# KiCad board APA102_Matrix.kicad_pcb (continued)
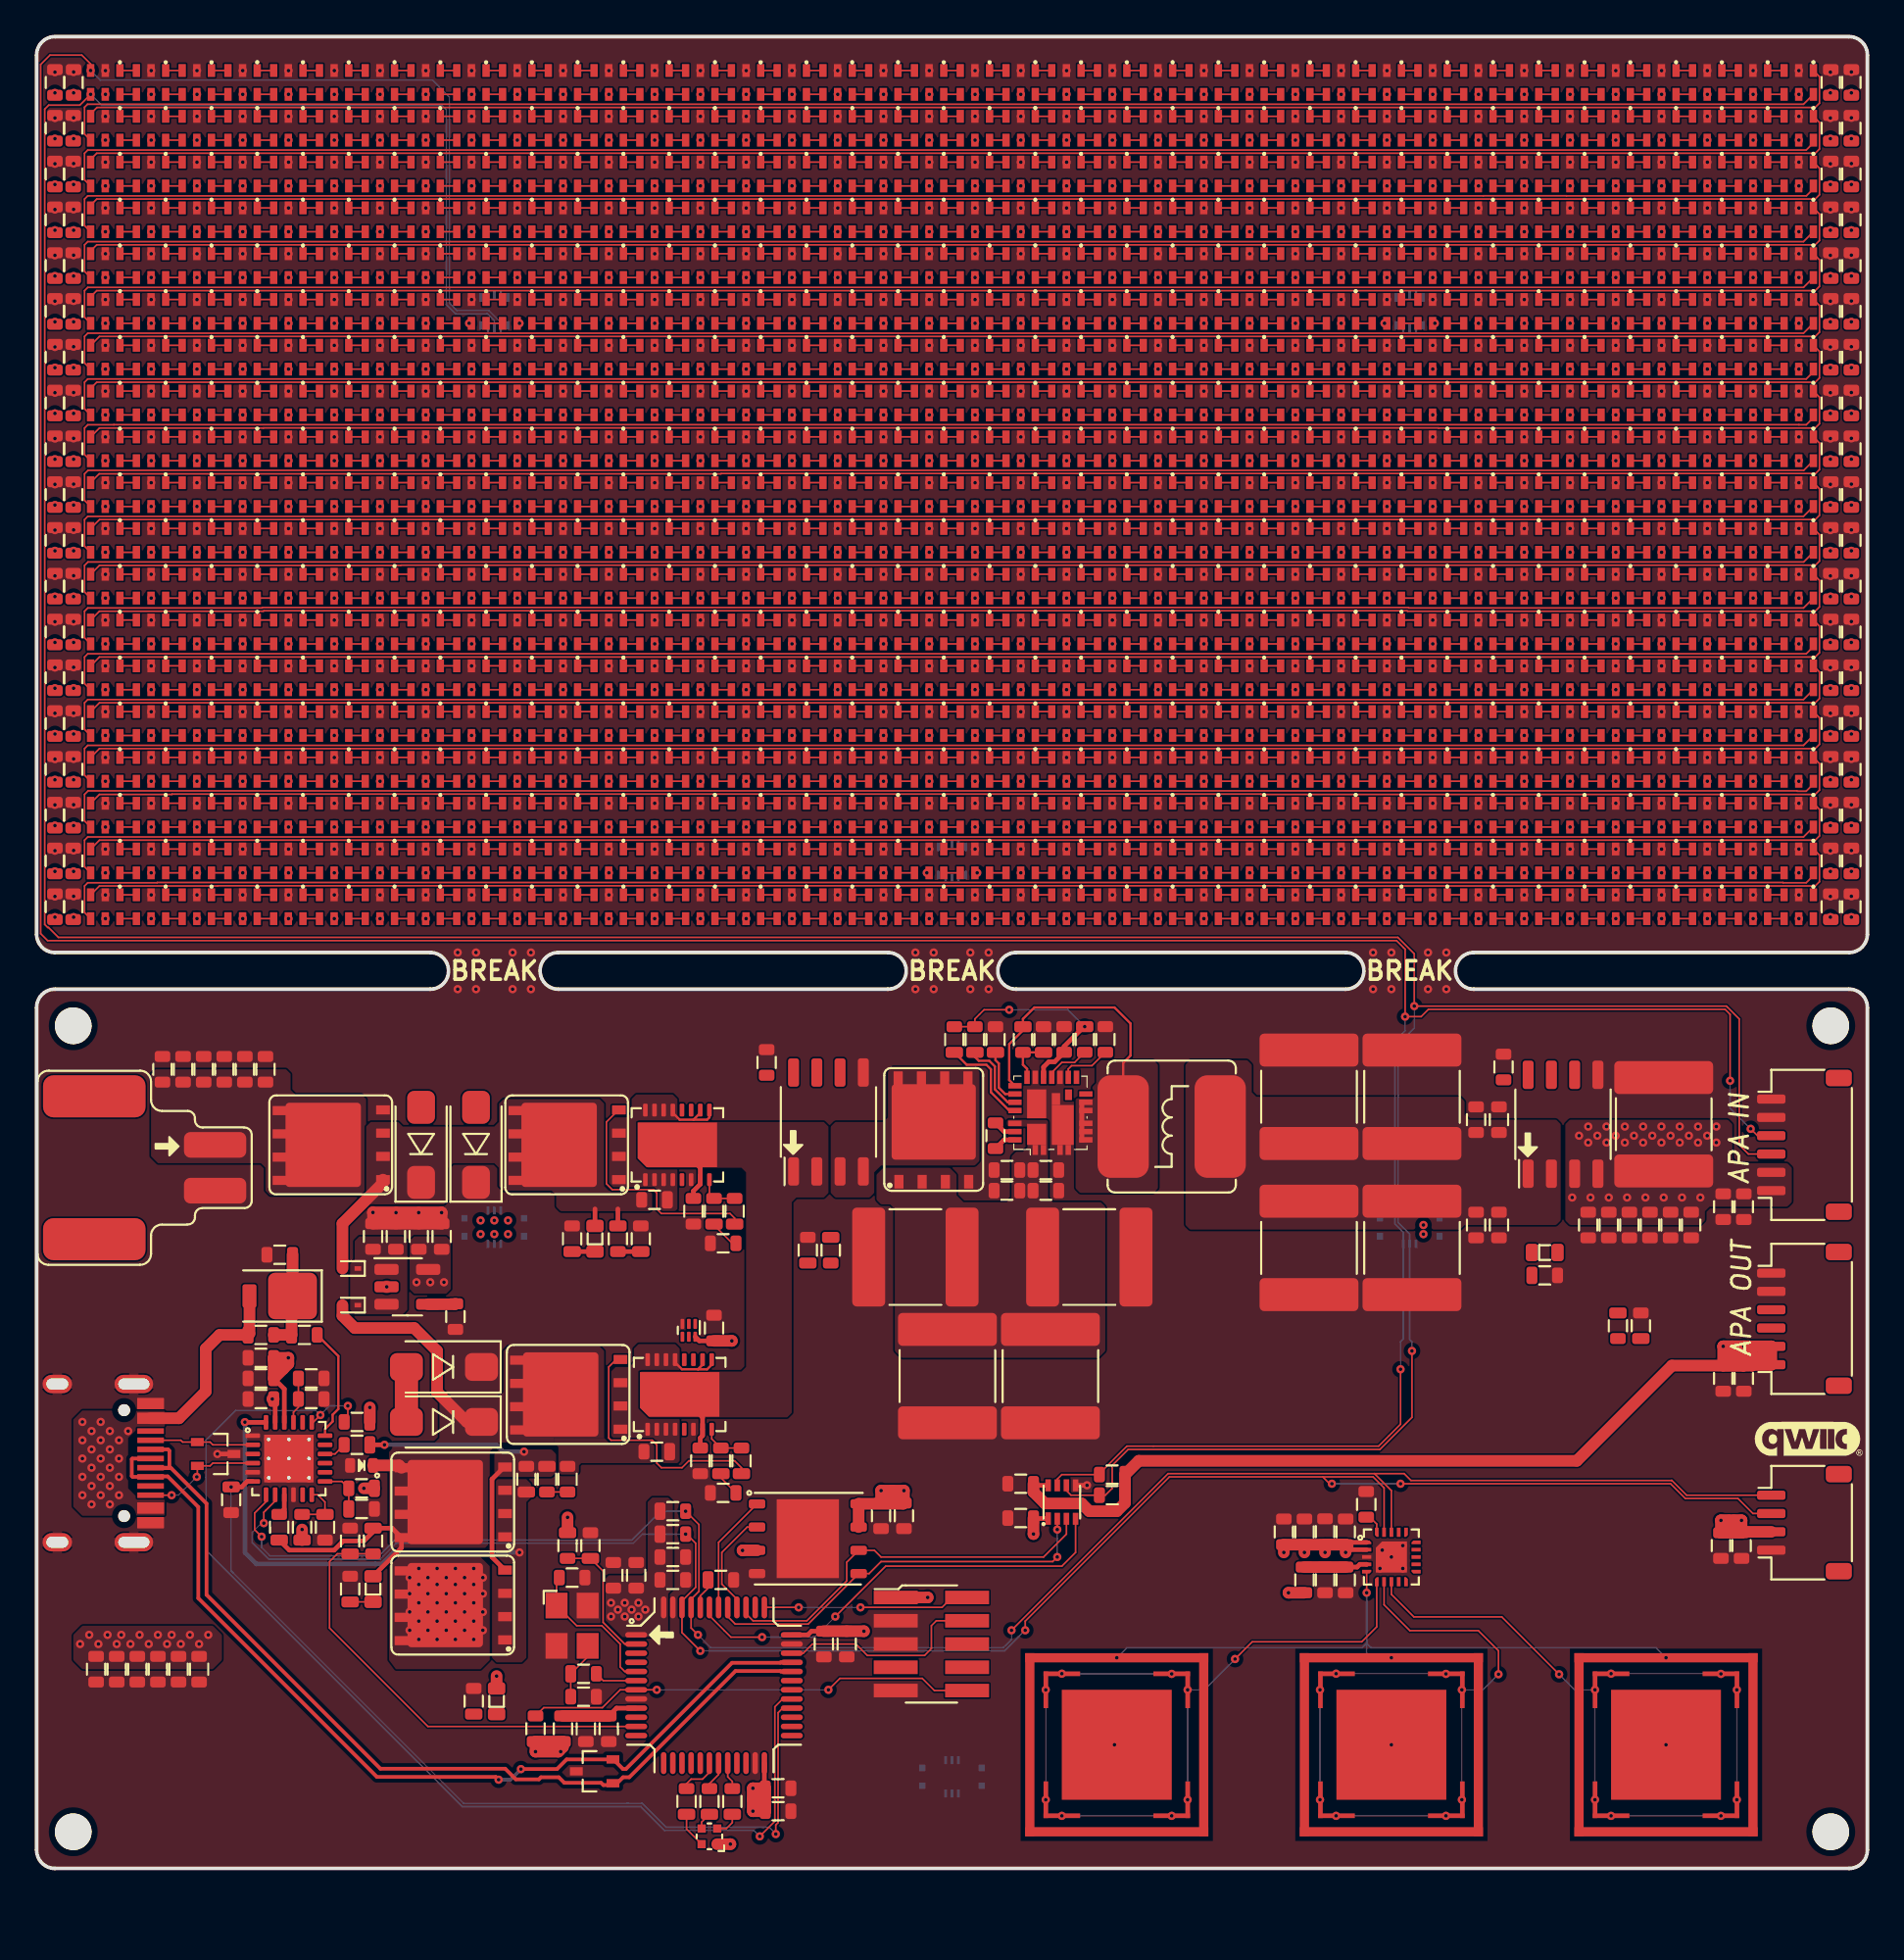
[diagram p0: board, top side]
## Routing (per net, layer and track width the routed paths; a pad name or vN(x,y) marks a point on that pad's centre or on a via; arc(x,y) is an arc through that point) (continued)
/5V_EN: length 3
  F_PWR_SIGNAL.Cu w0.127: U8.19 52.9,42.28 52.56,42.62 52.56,43.94 52.38,44.12 R27.1
/5V_PGOOD: length 2.5
  F_PWR_SIGNAL.Cu w0.089: 57.25,44.56 56.69,44 56,44 55.45,43.45 U8.14
/MCU/+3V3A_MCU: length 4.2
  F_PWR_SIGNAL.Cu w0.254: U7.9 31.68,8.75 C101.1
  F_PWR_SIGNAL.Cu w0.635: FB1.1 C101.1
/POWER SUPPLY/VDD: length 12.1
  F_PWR_SIGNAL.Cu w0.089: R31.2 R30.2 51.25,46.38 51.75,46.88 v1(53.12,46.88)
  F_PWR_SIGNAL.Cu w0.254: U8.15 55,43.75 55.28,44.03 55.6,44.03 56.12,44.56 56.12,44.88 57.2,45.95 v1(57.25,45.95)
  B_GND_SIGNAL.Cu w0.089: v1(57.25,45.95) 56.33,46.88 v1(53.12,46.88)
/USB C PD/+2V7: length 2.5
  F_PWR_SIGNAL.Cu w0.254: U10.23 13.03,25.55 C130.2
  F_PWR_SIGNAL.Cu w0.635: R42.1 v1(17.88,20.75) ; C130.2 v1(12.88,25.62) ; R40.1 v1(14.5,18.5)
GND: length 11.5
  F_PWR_SIGNAL.Cu w0.089: D1.2 3.75,98.15 v1(3.76,98.15) ; v1(2.02,98.07) 2.02,98.07 ; 1.25,98.06 1.25,98.07
  F_PWR_SIGNAL.Cu w0.254: U5.5 57.37,20.91 v1(57.38,20.92) ; D733.3 v1(9.88,22.62)
  F_PWR_SIGNAL.Cu w0.635: v1(19.63,35.8) 19.62,35.8 C79.2 ; U4.2 v1(19.12,31.75) ; v1(20.87,35.8) 20.88,35.8 C81.2 ; C82.2 22.12,35.8 v1(22.12,35.8) 22.11,35.81 v1(18.37,35.81) 18.38,35.81 C80.2 C82.2
  vias: v1(1,98.06) v1(1,95.56) v1(1,93.06) v1(1,90.56) v1(1,88.06) v1(1,85.56) v1(1,83.06) v1(1,80.56) v1(1,78.06) v1(1,75.56) v1(1,73.06) v1(1,70.56) v1(1,68.06) v1(1,65.56) v1(1,63.06) v1(1,60.56) v1(1,58.06) v1(1,55.56) v1(1,53.06) v1(2.02,95.57) v1(2.02,93.07) v1(2.02,90.57) v1(2.02,88.07) v1(2.02,85.57) v1(2.02,83.07) v1(2.02,80.57) v1(2.02,78.07) v1(2.02,75.57) v1(2.02,73.07) v1(2.02,70.57) v1(2.02,68.07) v1(2.02,65.57) v1(2.02,63.07) v1(2.02,60.57) v1(2.02,58.07) v1(2.02,55.57) v1(2.02,53.07) v1(3.76,95.65) v1(3.76,93.15) v1(3.76,90.65) v1(3.76,88.15) v1(3.76,85.65) v1(3.76,83.15) v1(3.76,80.65) v1(3.76,78.15) v1(3.76,75.65) v1(3.76,73.15) v1(3.76,70.65) v1(3.76,68.15) v1(3.76,65.65) v1(3.76,63.15) v1(3.76,60.65) v1(3.76,58.15) v1(3.76,55.65) v1(3.76,53.15) v1(6.26,98.15) v1(6.26,95.65) v1(6.26,93.15) v1(6.26,90.65) v1(6.26,88.15) v1(6.26,85.65) v1(6.26,83.15) v1(6.26,80.65) v1(6.26,78.15) v1(6.26,75.65) v1(6.26,73.15) v1(6.26,70.65) v1(6.26,68.15) v1(6.26,65.65) v1(6.26,63.15) v1(6.26,60.65) v1(6.26,58.15) v1(6.26,55.65) v1(6.26,53.15) v1(8.76,98.15) v1(8.76,95.65) v1(8.76,93.15) v1(8.76,90.65) v1(8.76,88.15) v1(8.76,85.65) v1(8.76,83.15) v1(8.76,80.65) v1(8.76,78.15) v1(8.76,75.65) v1(8.76,73.15) v1(8.76,70.65) v1(8.76,68.15) v1(8.76,65.65) v1(8.76,63.15) v1(8.76,60.65) v1(8.76,58.15) v1(8.76,55.65) v1(8.76,53.15) v1(11.26,98.15) v1(11.26,95.65) v1(11.26,93.15) v1(11.26,90.65) v1(11.26,88.15) v1(11.26,85.65) v1(11.26,83.15) v1(11.26,80.65) v1(11.26,78.15) v1(11.26,75.65) v1(11.26,73.15) v1(11.26,70.65) v1(11.26,68.15) v1(11.26,65.65) v1(11.26,63.15) v1(11.26,60.65) v1(11.26,58.15) v1(11.26,55.65) v1(11.26,53.15) v1(13.76,98.15) v1(13.76,95.65) v1(13.76,93.15) v1(13.76,90.65) v1(13.76,88.15) v1(13.76,85.65) v1(13.76,83.15) v1(13.76,80.65) v1(13.76,78.15) v1(13.76,75.65) v1(13.76,73.15) v1(13.76,70.65) v1(13.76,68.15) v1(13.76,65.65) v1(13.76,63.15) v1(13.76,60.65) v1(13.76,58.15) v1(13.76,55.65) v1(13.76,53.15) v1(16.26,98.15) v1(16.26,95.65) v1(16.26,93.15) v1(16.26,90.65) v1(16.26,88.15) v1(16.26,85.65) v1(16.26,83.15) v1(16.26,80.65) v1(16.26,78.15) v1(16.26,75.65) v1(16.26,73.15) v1(16.26,70.65) v1(16.26,68.15) v1(16.26,65.65) v1(16.26,63.15) v1(16.26,60.65) v1(16.26,58.15) v1(16.26,55.65) v1(16.26,53.15) v1(18.76,98.15) v1(18.76,95.65) v1(18.76,93.15) v1(18.76,90.65) v1(18.76,88.15) v1(18.76,85.65) v1(18.76,83.15) v1(18.76,80.65) v1(18.76,78.15) v1(18.76,75.65) v1(18.76,73.15) v1(18.76,70.65) v1(18.76,68.15) v1(18.76,65.65) v1(18.76,63.15) v1(18.76,60.65) v1(18.76,58.15) v1(18.76,55.65) v1(18.76,53.15) v1(21.26,98.15) v1(21.26,95.65) v1(21.26,93.15) v1(21.26,90.65) v1(21.26,88.15) v1(21.26,85.65) v1(21.26,83.15) v1(21.26,80.65) v1(21.26,78.15) v1(21.26,75.65) v1(21.26,73.15) v1(21.26,70.65) v1(21.26,68.15) v1(21.26,65.65) v1(21.26,63.15) v1(21.26,60.65) v1(21.26,58.15) v1(21.26,55.65) v1(21.26,53.15) v1(23,50) v1(23,48) v1(23.76,98.15) v1(23.76,95.65) v1(23.76,93.15) v1(23.76,90.65) v1(23.76,88.15) v1(23.76,85.65) v1(23.76,83.15) v1(23.76,80.65) v1(23.76,78.15) v1(23.76,75.65) v1(23.76,73.15) v1(23.76,70.65) v1(23.76,68.15) v1(23.76,65.65) v1(23.76,63.15) v1(23.76,60.65) v1(23.76,58.15) v1(23.76,55.65) v1(23.76,53.15) v1(24,50) v1(24,48) v1(26,50) v1(26,48) v1(26.26,98.15) v1(26.26,95.65) v1(26.26,93.15) v1(26.26,90.65) v1(26.26,88.15) v1(26.26,85.65) v1(26.26,83.15) v1(26.26,80.65) v1(26.26,78.15) v1(26.26,75.65) v1(26.26,73.15) v1(26.26,70.65) v1(26.26,68.15) v1(26.26,65.65) v1(26.26,63.15) v1(26.26,60.65) v1(26.26,58.15) v1(26.26,55.65) v1(26.26,53.15) v1(27,50) v1(27,48) v1(28.76,98.15) v1(28.76,95.65) v1(28.76,93.15) v1(28.76,90.65) v1(28.76,88.15) v1(28.76,85.65) v1(28.76,83.15) v1(28.76,80.65) v1(28.76,78.15) v1(28.76,75.65) v1(28.76,73.15) v1(28.76,70.65) v1(28.76,68.15) v1(28.76,65.65) v1(28.76,63.15) v1(28.76,60.65) v1(28.76,58.15) v1(28.76,55.65) v1(28.76,53.15) v1(31.26,98.15) v1(31.26,95.65) v1(31.26,93.15) v1(31.26,90.65) v1(31.26,88.15) v1(31.26,85.65) v1(31.26,83.15) v1(31.26,80.65) v1(31.26,78.15) v1(31.26,75.65) v1(31.26,73.15) v1(31.26,70.65) v1(31.26,68.15) v1(31.26,65.65) v1(31.26,63.15) v1(31.26,60.65) v1(31.26,58.15) v1(31.26,55.65) v1(31.26,53.15) v1(33.76,98.15) v1(33.76,95.65) v1(33.76,93.15) v1(33.76,90.65) v1(33.76,88.15) v1(33.76,85.65) v1(33.76,83.15) v1(33.76,80.65) v1(33.76,78.15) v1(33.76,75.65) v1(33.76,73.15) v1(33.76,70.65) v1(33.76,68.15) v1(33.76,65.65) v1(33.76,63.15) v1(33.76,60.65) v1(33.76,58.15) v1(33.76,55.65) v1(33.76,53.15) v1(36.26,98.15) v1(36.26,95.65) v1(36.26,93.15) v1(36.26,90.65) v1(36.26,88.15) v1(36.26,85.65) v1(36.26,83.15) v1(36.26,80.65) v1(36.26,78.15) v1(36.26,75.65) v1(36.26,73.15) v1(36.26,70.65) v1(36.26,68.15) v1(36.26,65.65) v1(36.26,63.15) v1(36.26,60.65) v1(36.26,58.15) v1(36.26,55.65) v1(36.26,53.15) v1(38.76,98.15) v1(38.76,95.65) v1(38.76,93.15) v1(38.76,90.65) v1(38.76,88.15) v1(38.76,85.65) v1(38.76,83.15) v1(38.76,80.65) v1(38.76,78.15) v1(38.76,75.65) v1(38.76,73.15) v1(38.76,70.65) v1(38.76,68.15) v1(38.76,65.65) v1(38.76,63.15) v1(38.76,60.65) v1(38.76,58.15) v1(38.76,55.65) v1(38.76,53.15) v1(41.26,98.15) v1(41.26,95.65) v1(41.26,93.15) v1(41.26,90.65) v1(41.26,88.15) v1(41.26,85.65) v1(41.26,83.15) v1(41.26,80.65) v1(41.26,78.15) v1(41.26,75.65) v1(41.26,73.15) v1(41.26,70.65) v1(41.26,68.15) v1(41.26,65.65) v1(41.26,63.15) v1(41.26,60.65) v1(41.26,58.15) v1(41.26,55.65) v1(41.26,53.15) v1(43.76,98.15) v1(43.76,95.65) v1(43.76,93.15) v1(43.76,90.65) v1(43.76,88.15) v1(43.76,85.65) v1(43.76,83.15) v1(43.76,80.65) v1(43.76,78.15) v1(43.76,75.65) v1(43.76,73.15) v1(43.76,70.65) v1(43.76,68.15) v1(43.76,65.65) v1(43.76,63.15) v1(43.76,60.65) v1(43.76,58.15) v1(43.76,55.65) v1(43.76,53.15) v1(46.26,98.15) v1(46.26,95.65) v1(46.26,93.15) v1(46.26,90.65) v1(46.26,88.15) v1(46.26,85.65) v1(46.26,83.15) v1(46.26,80.65) v1(46.26,78.15) v1(46.26,75.65) v1(46.26,73.15) v1(46.26,70.65) v1(46.26,68.15) v1(46.26,65.65) v1(46.26,63.15) v1(46.26,60.65) v1(46.26,58.15) v1(46.26,55.65) v1(46.26,53.15) v1(48,50) v1(48,48) v1(48.76,98.15) v1(48.76,95.65) v1(48.76,93.15) v1(48.76,90.65) v1(48.76,88.15) v1(48.76,85.65) v1(48.76,83.15) v1(48.76,80.65) v1(48.76,78.15) v1(48.76,75.65) v1(48.76,73.15) v1(48.76,70.65) v1(48.76,68.15) v1(48.76,65.65) v1(48.76,63.15) v1(48.76,60.65) v1(48.76,58.15) v1(48.76,55.65) v1(48.76,53.15) v1(49,50) v1(49,48) v1(51,50) v1(51,48) v1(51.26,98.15) v1(51.26,95.65) v1(51.26,93.15) v1(51.26,90.65) v1(51.26,88.15) v1(51.26,85.65) v1(51.26,83.15) v1(51.26,80.65) v1(51.26,78.15) v1(51.26,75.65) v1(51.26,73.15) v1(51.26,70.65) v1(51.26,68.15) v1(51.26,65.65) v1(51.26,63.15) v1(51.26,60.65) v1(51.26,58.15) v1(51.26,55.65) v1(51.26,53.15) v1(52,50) v1(52,48) v1(53.76,98.15) v1(53.76,95.65) v1(53.76,93.15) v1(53.76,90.65) v1(53.76,88.15) v1(53.76,85.65) v1(53.76,83.15) v1(53.76,80.65) v1(53.76,78.15) v1(53.76,75.65) v1(53.76,73.15) v1(53.76,70.65) v1(53.76,68.15) v1(53.76,65.65) v1(53.76,63.15) v1(53.76,60.65) v1(53.76,58.15) v1(53.76,55.65) v1(53.76,53.15) v1(56.26,98.15) v1(56.26,95.65) v1(56.26,93.15) v1(56.26,90.65) v1(56.26,88.15) v1(56.26,85.65) v1(56.26,83.15) v1(56.26,80.65) v1(56.26,78.15) v1(56.26,75.65) v1(56.26,73.15) v1(56.26,70.65) v1(56.26,68.15) v1(56.26,65.65) v1(56.26,63.15) v1(56.26,60.65) v1(56.26,58.15) v1(56.26,55.65) v1(56.26,53.15) v1(58.76,98.15) v1(58.76,95.65) v1(58.76,93.15) v1(58.76,90.65) v1(58.76,88.15) v1(58.76,85.65) v1(58.76,83.15) v1(58.76,80.65) v1(58.76,78.15) v1(58.76,75.65) v1(58.76,73.15) v1(58.76,70.65) v1(58.76,68.15) v1(58.76,65.65) v1(58.76,63.15) v1(58.76,60.65) v1(58.76,58.15) v1(58.76,55.65) v1(58.76,53.15) v1(58.88,6.75) v1(61.26,98.15) v1(61.26,95.65) v1(61.26,93.15) v1(61.26,90.65) v1(61.26,88.15) v1(61.26,85.65) v1(61.26,83.15) v1(61.26,80.65) v1(61.26,78.15) v1(61.26,75.65) v1(61.26,73.15) v1(61.26,70.65) v1(61.26,68.15) v1(61.26,65.65) v1(61.26,63.15) v1(61.26,60.65) v1(61.26,58.15) v1(61.26,55.65) v1(61.26,53.15) v1(63.76,98.15) v1(63.76,95.65) v1(63.76,93.15) v1(63.76,90.65) v1(63.76,88.15) v1(63.76,85.65) v1(63.76,83.15) v1(63.76,80.65) v1(63.76,78.15) v1(63.76,75.65) v1(63.76,73.15) v1(63.76,70.65) v1(63.76,68.15) v1(63.76,65.65) v1(63.76,63.15) v1(63.76,60.65) v1(63.76,58.15) v1(63.76,55.65) v1(63.76,53.15) v1(66.26,98.15) v1(66.26,95.65) v1(66.26,93.15) v1(66.26,90.65) v1(66.26,88.15) v1(66.26,85.65) v1(66.26,83.15) v1(66.26,80.65) v1(66.26,78.15) v1(66.26,75.65) v1(66.26,73.15) v1(66.26,70.65) v1(66.26,68.15) v1(66.26,65.65) v1(66.26,63.15) v1(66.26,60.65) v1(66.26,58.15) v1(66.26,55.65) v1(66.26,53.15) v1(68.76,98.15) v1(68.76,95.65) v1(68.76,93.15) v1(68.76,90.65) v1(68.76,88.15) v1(68.76,85.65) v1(68.76,83.15) v1(68.76,80.65) v1(68.76,78.15) v1(68.76,75.65) v1(68.76,73.15) v1(68.76,70.65) v1(68.76,68.15) v1(68.76,65.65) v1(68.76,63.15) v1(68.76,60.65) v1(68.76,58.15) v1(68.76,55.65) v1(68.76,53.15) v1(71.26,98.15) v1(71.26,95.65) v1(71.26,93.15) v1(71.26,90.65) v1(71.26,88.15) v1(71.26,85.65) v1(71.26,83.15) v1(71.26,80.65) v1(71.26,78.15) v1(71.26,75.65) v1(71.26,73.15) v1(71.26,70.65) v1(71.26,68.15) v1(71.26,65.65) v1(71.26,63.15) v1(71.26,60.65) v1(71.26,58.15) v1(71.26,55.65) v1(71.26,53.15) v1(73,50) v1(73,48) v1(73.38,16.38) v1(73.5,17.38) v1(73.76,98.15) v1(73.76,95.65) v1(73.76,93.15) v1(73.76,90.65) v1(73.76,88.15) v1(73.76,85.65) v1(73.76,83.15) v1(73.76,80.65) v1(73.76,78.15) v1(73.76,75.65) v1(73.76,73.15) v1(73.76,70.65) v1(73.76,68.15) v1(73.76,65.65) v1(73.76,63.15) v1(73.76,60.65) v1(73.76,58.15) v1(73.76,55.65) v1(73.76,53.15) v1(74,50) v1(74,48) v1(74,17) v1(74,6.75) v1(74.62,17.62) v1(74.62,16.38) v1(76,50) v1(76,48) v1(76.26,98.15) v1(76.26,95.65) v1(76.26,93.15) v1(76.26,90.65) v1(76.26,88.15) v1(76.26,85.65) v1(76.26,83.15) v1(76.26,80.65) v1(76.26,78.15) v1(76.26,75.65) v1(76.26,73.15) v1(76.26,70.65) v1(76.26,68.15) v1(76.26,65.65) v1(76.26,63.15) v1(76.26,60.65) v1(76.26,58.15) v1(76.26,55.65) v1(76.26,53.15) v1(77,50) v1(77,48) v1(78.76,98.15) v1(78.76,95.65) v1(78.76,93.15) v1(78.76,90.65) v1(78.76,88.15) v1(78.76,85.65) v1(78.76,83.15) v1(78.76,80.65) v1(78.76,78.15) v1(78.76,75.65) v1(78.76,73.15) v1(78.76,70.65) v1(78.76,68.15) v1(78.76,65.65) v1(78.76,63.15) v1(78.76,60.65) v1(78.76,58.15) v1(78.76,55.65) v1(78.76,53.15) v1(81.26,98.15) v1(81.26,95.65) v1(81.26,93.15) v1(81.26,90.65) v1(81.26,88.15) v1(81.26,85.65) v1(81.26,83.15) v1(81.26,80.65) v1(81.26,78.15) v1(81.26,75.65) v1(81.26,73.15) v1(81.26,70.65) v1(81.26,68.15) v1(81.26,65.65) v1(81.26,63.15) v1(81.26,60.65) v1(81.26,58.15) v1(81.26,55.65) v1(81.26,53.15) v1(83.76,98.15) v1(83.76,95.65) v1(83.76,93.15) v1(83.76,90.65) v1(83.76,88.15) v1(83.76,85.65) v1(83.76,83.15) v1(83.76,80.65) v1(83.76,78.15) v1(83.76,75.65) v1(83.76,73.15) v1(83.76,70.65) v1(83.76,68.15) v1(83.76,65.65) v1(83.76,63.15) v1(83.76,60.65) v1(83.76,58.15) v1(83.76,55.65) v1(83.76,53.15) v1(86.26,98.15) v1(86.26,95.65) v1(86.26,93.15) v1(86.26,90.65) v1(86.26,88.15) v1(86.26,85.65) v1(86.26,83.15) v1(86.26,80.65) v1(86.26,78.15) v1(86.26,75.65) v1(86.26,73.15) v1(86.26,70.65) v1(86.26,68.15) v1(86.26,65.65) v1(86.26,63.15) v1(86.26,60.65) v1(86.26,58.15) v1(86.26,55.65) v1(86.26,53.15) v1(88.76,98.15) v1(88.76,95.65) v1(88.76,93.15) v1(88.76,90.65) v1(88.76,88.15) v1(88.76,85.65) v1(88.76,83.15) v1(88.76,80.65) v1(88.76,78.15) v1(88.76,75.65) v1(88.76,73.15) v1(88.76,70.65) v1(88.76,68.15) v1(88.76,65.65) v1(88.76,63.15) v1(88.76,60.65) v1(88.76,58.15) v1(88.76,55.65) v1(88.76,53.15) v1(89,6.75) v1(91.26,98.15) v1(91.26,95.65) v1(91.26,93.15) v1(91.26,90.65) v1(91.26,88.15) v1(91.26,85.65) v1(91.26,83.15) v1(91.26,80.65) v1(91.26,78.15) v1(91.26,75.65) v1(91.26,73.15) v1(91.26,70.65) v1(91.26,68.15) v1(91.26,65.65) v1(91.26,63.15) v1(91.26,60.65) v1(91.26,58.15) v1(91.26,55.65) v1(91.26,53.15) v1(93.76,98.15) v1(93.76,95.65) v1(93.76,93.15) v1(93.76,90.65) v1(93.76,88.15) v1(93.76,85.65) v1(93.76,83.15) v1(93.76,80.65) v1(93.76,78.15) v1(93.76,75.65) v1(93.76,73.15) v1(93.76,70.65) v1(93.76,68.15) v1(93.76,65.65) v1(93.76,63.15) v1(93.76,60.65) v1(93.76,58.15) v1(93.76,55.65) v1(93.76,53.15) v1(96.26,98.15) v1(96.26,95.65) v1(96.26,93.15) v1(96.26,90.65) v1(96.26,88.15) v1(96.26,85.65) v1(96.26,83.15) v1(96.26,80.65) v1(96.26,78.15) v1(96.26,75.65) v1(96.26,73.15) v1(96.26,70.65) v1(96.26,68.15) v1(96.26,65.65) v1(96.26,63.15) v1(96.26,60.65) v1(96.26,58.15) v1(96.26,55.65) v1(96.26,53.15) v1(97.98,98.06) v1(97.98,95.56) v1(97.98,93.06) v1(97.98,90.56) v1(97.98,88.06) v1(97.98,85.56) v1(97.98,83.06) v1(97.98,80.56) v1(97.98,78.06) v1(97.98,75.56) v1(97.98,73.06) v1(97.98,70.56) v1(97.98,68.06) v1(97.98,65.56) v1(97.98,63.06) v1(97.98,60.56) v1(97.98,58.06) v1(97.98,55.56) v1(97.98,53.06) v1(99.12,98.07) v1(99.12,95.57) v1(99.12,93.07) v1(99.12,90.57) v1(99.12,88.07) v1(99.12,85.57) v1(99.12,83.07) v1(99.12,80.57) v1(99.12,78.07) v1(99.12,75.57) v1(99.12,73.07) v1(99.12,70.57) v1(99.12,68.07) v1(99.12,65.57) v1(99.12,63.07) v1(99.12,60.57) v1(99.12,58.07) v1(99.12,55.57) v1(99.12,53.07)
/APA_CLK_5V: length 231.2
  F_PWR_SIGNAL.Cu w0.089: CN10.3 93.5,39 93,39.5 93,46.38 92.3,47.08 v1(75.25,47.08) 75.25,49.93 74.35,50.83 1.19,50.83 0.65,51.37 0.61,51.37 0.44,51.53 0.44,96.04 0.66,96.26 2.36,96.26 v1(2.95,96.85) ; U5.6 56.25,20.62 56.5,20.38 R12.2 58.38,20.38 58.75,20.75 58.75,22 59.62,22.88 73.38,22.88 75.12,24.62 v1(75.12,28.25)
  B_GND_SIGNAL.Cu w0.089: v1(2.95,96.85) 3.55,96.25 22.12,96.25 22.38,96 22.38,85.38 22.88,84.88 24.62,84.88 25,84.5 CN5.3 ; v1(75.12,28.25) 75.12,28.75 75,28.88 CN4.3 75,34.62 74.38,35.25 74.38,45 75.25,45.88 v1(75.25,47.08)
/APA_DAT_5V: length 233.6
  F_PWR_SIGNAL.Cu w0.089: CN10.4 94,40 v1(93.62,40.38) ; 92.5,43.02 92.5,46.62 92.23,46.9 76.02,46.9 75.62,46.5 v1(74.75,46.5) 74.75,50.18 74.28,50.65 0.6,50.65 0.22,51.03 0.22,98.48 0.73,98.99 2.47,98.99 2.95,98.51 v1(2.95,98.15) ; U5.7 55.75,21.25 56,21.5 R13.2 58.05,21.55 59.55,23.05 73.3,23.05 74.5,24.25 v1(74.5,27.25)
  B_GND_SIGNAL.Cu w0.089: v1(74.75,46.5) 74.75,45.73 74.2,45.18 74.2,35.18 74.65,34.72 CN4.1 74.65,28.9 74.5,28.75 v1(74.5,27.25) ; CN5.1 25.35,84.4 24.7,85.05 22.95,85.05 22.55,85.45 22.55,96.7 21.62,97.62 3.47,97.62 v1(2.95,98.15) ; v1(93.62,40.38) 92.5,41.5 v1(92.5,43)
/EXTERNAL_12V: length 7.6
  F_PWR_SIGNAL.Cu w0.254: D723.2 30.5,36 ; R3.1 31.75,36
  F_PWR_SIGNAL.Cu w0.635: D726.2 16.7,35.2 18.92,37.42 Q1.1
/EXTERNAL_V_SNS: length 1.2
  F_PWR_SIGNAL.Cu w0.254: R3.2 R5.1
/I2C_CLK: length 102.3
  F_PWR_SIGNAL.Cu w0.089: v1(12.29,18.11) 11.91,18.49 11.91,19.4 12.53,20.02 U10.7 ; 73.07,21.55 74.7,21.55 75.07,21.18 89.3,21.18 89.31,21.19 90.12,20.38 CN3.4 ; 73.07,21.55 74,20.63 U9.18 ; 73.07,21.55 61.8,21.55 v1(53.25,13) ; v1(36.12,12.75) 35.75,13.12 U7.45 35.75,14.7 36.18,15.13 36.18,18.77 v1(35.45,19.5)
  B_GND_SIGNAL.Cu w0.089: v1(12.29,18.11) 12.29,17.52 12.75,17.06 18.69,17.06 19.56,17.93 32.52,17.93 34.09,19.5 v1(35.45,19.5) ; v1(36.12,12.75) 36.82,12.05 52.8,12.05 53.25,12.5 v1(53.25,13)
/I2C_SDA: length 104.8
  F_PWR_SIGNAL.Cu w0.089: CN3.3 93.75,19.38 92.93,20.2 90.05,20.2 89.25,21 v1(74.5,21) ; v1(54,13) 54,13.5 61.88,21.38 70.25,21.38 ; 70.25,21.38 70.62,21 v1(70.75,21) ; 70.25,21.38 73,21.38 73.6,20.78 U9.19 ; v1(36.25,11.88) 35.25,12.87 U7.46 35.25,14.6 36,15.35 36,17.75 35.5,18.25 v1(35.45,18.25) ; v1(12.41,18.85) 12.41,19.44 13.03,20.06 U10.8
  B_GND_SIGNAL.Cu w0.089: v1(35.45,18.25) 33.09,18.25 32.59,17.75 19.63,17.75 18.77,16.88 12.67,16.88 11.77,17.79 11.77,18.34 12.28,18.85 v1(12.41,18.85) ; v1(54,13) 52.88,11.88 v1(36.25,11.88) ; v1(70.75,21) v1(74.5,21)
/LED ARRAY/LED_Row_1/CLK_OUT: length 96.7
  F_PWR_SIGNAL.Cu w0.089: D39.4 2.62,94.68 2.62,96.15 2.78,96.31 96.51,96.31 D38.6
/LED ARRAY/LED_Row_1/DATA_OUT: length 96.7
  F_PWR_SIGNAL.Cu w0.089: D38.1 97.38,97.82 97.38,96.37 97.15,96.13 3.3,96.13 2.95,95.79 D39.3
/LED ARRAY/LED_Row_2/CLK_OUT: length 96.7
  F_PWR_SIGNAL.Cu w0.089: D76.6 97.05,94.2 96.66,93.81 2.79,93.81 2.62,93.63 2.62,92.18 D77.4
/LED ARRAY/LED_Row_2/DATA_OUT: length 96.7
  F_PWR_SIGNAL.Cu w0.089: D76.1 97.38,95.32 97.38,93.87 97.15,93.63 3.28,93.63 2.95,93.3 D77.3
/LED ARRAY/LED_Row_3/CLK_OUT: length 96.7
  F_PWR_SIGNAL.Cu w0.089: D114.6 97.05,91.69 96.67,91.31 83.57,91.31 83.56,91.31 79.02,91.31 79.02,91.31 2.79,91.31 2.62,91.13 2.62,89.68 D115.4
/LED ARRAY/LED_Row_3/DATA_OUT: length 96.7
  F_PWR_SIGNAL.Cu w0.089: D115.3 2.95,90.8 3.28,91.13 79.52,91.13 79.53,91.14 79.53,91.13 97.15,91.13 97.38,91.37 97.38,92.82 D114.1
/LED ARRAY/LED_Row_4/CLK_OUT: length 96.7
  F_PWR_SIGNAL.Cu w0.089: D152.6 96.51,88.81 2.79,88.81 2.62,88.63 2.62,87.18 D153.4
/LED ARRAY/LED_Row_4/DATA_OUT: length 96.7
  F_PWR_SIGNAL.Cu w0.089: D152.1 97.38,90.32 97.38,88.87 97.15,88.63 3.28,88.63 2.95,88.3 D153.3
/LED ARRAY/LED_Row_5/CLK_OUT: length 96.7
  F_PWR_SIGNAL.Cu w0.089: D191.4 2.62,84.68 2.62,86.13 2.79,86.31 96.51,86.31 D190.6
/LED ARRAY/LED_Row_5/DATA_OUT: length 96.7
  F_PWR_SIGNAL.Cu w0.089: D191.3 2.95,85.8 3.28,86.13 97.15,86.13 97.38,86.37 97.38,87.82 D190.1
/LED ARRAY/LED_Row_6/CLK_OUT: length 96.7
  F_PWR_SIGNAL.Cu w0.089: D229.4 2.62,82.18 2.62,83.63 2.79,83.81 96.51,83.81 D228.6
/LED ARRAY/LED_Row_6/DATA_OUT: length 96.7
  F_PWR_SIGNAL.Cu w0.089: D229.3 3.43,83.63 97.15,83.63 97.38,83.87 97.38,85.32 D228.1
/LED ARRAY/LED_Row_7/CLK_OUT: length 96.7
  F_PWR_SIGNAL.Cu w0.089: D267.4 2.62,79.68 2.62,81.13 2.79,81.31 96.66,81.31 97.05,81.7 D266.6
/LED ARRAY/LED_Row_7/DATA_OUT: length 96.7
  F_PWR_SIGNAL.Cu w0.089: D266.1 97.38,82.82 97.38,81.37 97.15,81.13 3.28,81.13 2.95,80.8 D267.3
/LED ARRAY/LED_Row_8/CLK_OUT: length 96.7
  F_PWR_SIGNAL.Cu w0.089: D304.6 97.05,79.2 96.66,78.81 96.27,78.81 96.26,78.82 4.22,78.82 4.22,78.81 2.79,78.81 2.62,78.63 2.62,77.18 D305.4
/LED ARRAY/LED_Row_8/DATA_OUT: length 96.7
  F_PWR_SIGNAL.Cu w0.089: D305.3 3.43,78.63 12.38,78.63 12.39,78.64 76.58,78.64 76.58,78.63 97.15,78.63 97.38,78.87 97.38,80.32 D304.1
/LED ARRAY/LED_Row_10/CLK_IN: length 96.7
  F_PWR_SIGNAL.Cu w0.089: D342.6 96.53,76.33 2.81,76.33 2.62,76.13 2.62,74.68 D343.4
/LED ARRAY/LED_Row_10/CLK_OUT: length 96.7
  F_PWR_SIGNAL.Cu w0.089: D381.4 2.62,72.18 2.62,73.63 2.8,73.81 96.51,73.81 D380.6
/LED ARRAY/LED_Row_10/DATA_IN: length 96.7
  F_PWR_SIGNAL.Cu w0.089: D342.1 97.38,77.82 97.38,76.37 97.17,76.15 37.4,76.15 37.38,76.13 3.42,76.13 2.95,75.67 D343.3
/LED ARRAY/LED_Row_10/DATA_OUT: length 96.7
  F_PWR_SIGNAL.Cu w0.089: D380.1 97.38,75.32 97.38,73.87 97.15,73.63 3.43,73.63 D381.3
/LED ARRAY/LED_Row_11/CLK_OUT: length 96.7
  F_PWR_SIGNAL.Cu w0.089: D418.6 96.52,71.32 2.81,71.32 2.62,71.13 2.62,69.68 D419.4
/LED ARRAY/LED_Row_11/DATA_OUT: length 96.7
  F_PWR_SIGNAL.Cu w0.089: D418.1 97.38,72.82 97.38,71.37 97.16,71.15 19.9,71.15 19.88,71.13 3.43,71.13 D419.3
/LED ARRAY/LED_Row_12/CLK_OUT: length 96.7
  F_PWR_SIGNAL.Cu w0.089: D457.4 2.62,67.18 2.62,68.63 2.79,68.81 12.31,68.81 12.33,68.83 74.93,68.83 74.96,68.81 96.51,68.81 D456.6
/LED ARRAY/LED_Row_12/DATA_OUT: length 96.7
  F_PWR_SIGNAL.Cu w0.089: D456.1 97.38,70.32 97.38,68.87 97.15,68.63 74.88,68.63 74.86,68.66 12.41,68.66 12.38,68.63 3.43,68.63 D457.3
/LED ARRAY/LED_Row_13/CLK_OUT: length 96.7
  F_PWR_SIGNAL.Cu w0.089: D494.6 97.05,66.7 96.66,66.31 2.79,66.31 2.62,66.13 2.62,64.68 D495.4
/LED ARRAY/LED_Row_13/DATA_OUT: length 96.7
  F_PWR_SIGNAL.Cu w0.089: D494.1 97.38,67.82 97.38,66.37 97.15,66.13 3.43,66.13 D495.3
/LED ARRAY/LED_Row_14/CLK_OUT: length 96.7
  F_PWR_SIGNAL.Cu w0.089: D533.4 2.62,62.18 2.62,63.63 2.79,63.81 96.51,63.81 D532.6
/LED ARRAY/LED_Row_14/DATA_OUT: length 96.7
  F_PWR_SIGNAL.Cu w0.089: D532.1 97.38,65.32 97.38,63.87 97.15,63.63 3.43,63.63 D533.3
/LED ARRAY/LED_Row_15/CLK_OUT: length 96.7
  F_PWR_SIGNAL.Cu w0.089: D570.6 96.51,61.31 2.79,61.31 2.62,61.13 2.62,59.68 D571.4
/LED ARRAY/LED_Row_15/DATA_OUT: length 96.7
  F_PWR_SIGNAL.Cu w0.089: D571.3 3.43,61.13 97.15,61.13 97.38,61.37 97.38,62.82 D570.1
/LED ARRAY/LED_Row_16/CLK_OUT: length 96.8
  F_PWR_SIGNAL.Cu w0.089: D608.6 97.05,59.2 96.66,58.81 96.16,58.81 96.15,58.83 2.81,58.83 2.62,58.63 2.62,57.18 D609.4
/LED ARRAY/LED_Row_16/DATA_OUT: length 96.7
  F_PWR_SIGNAL.Cu w0.089: D609.3 3.43,58.63 7.38,58.63 7.4,58.65 66.88,58.65 66.89,58.63 97.15,58.63 97.38,58.87 97.38,60.32 D608.1
